# Altium PCB PCB_Arduino_uno_r3_THT.PcbDoc
Units mm, origin at the board's own origin, x right, y up, seen from the top; angles counter-clockwise.
Board outline 68.58 x 53.34 mm, 2 copper layers (Top Layer, Bottom Layer), stack 1.57 mm thick; 49 components, 49 nets, 248 pads, 45 vias.
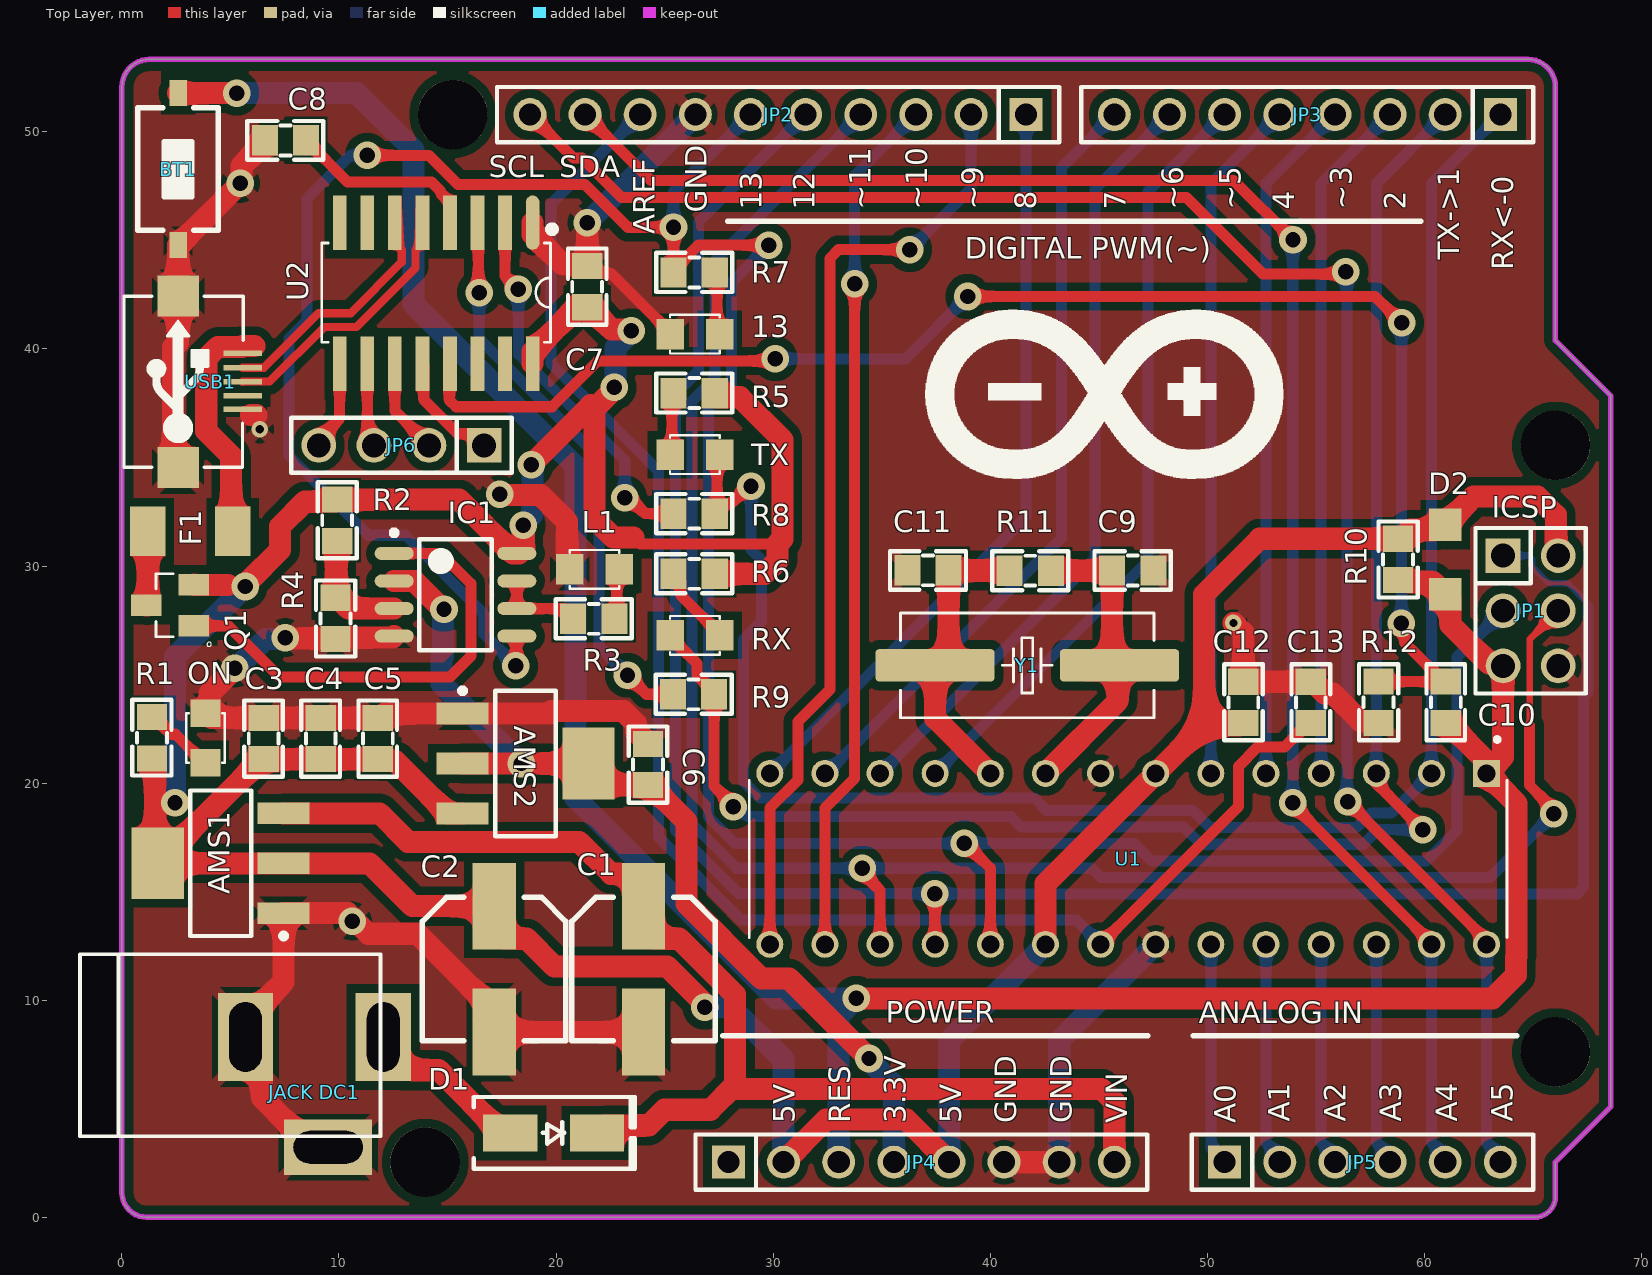
[diagram p0: Top Layer view]
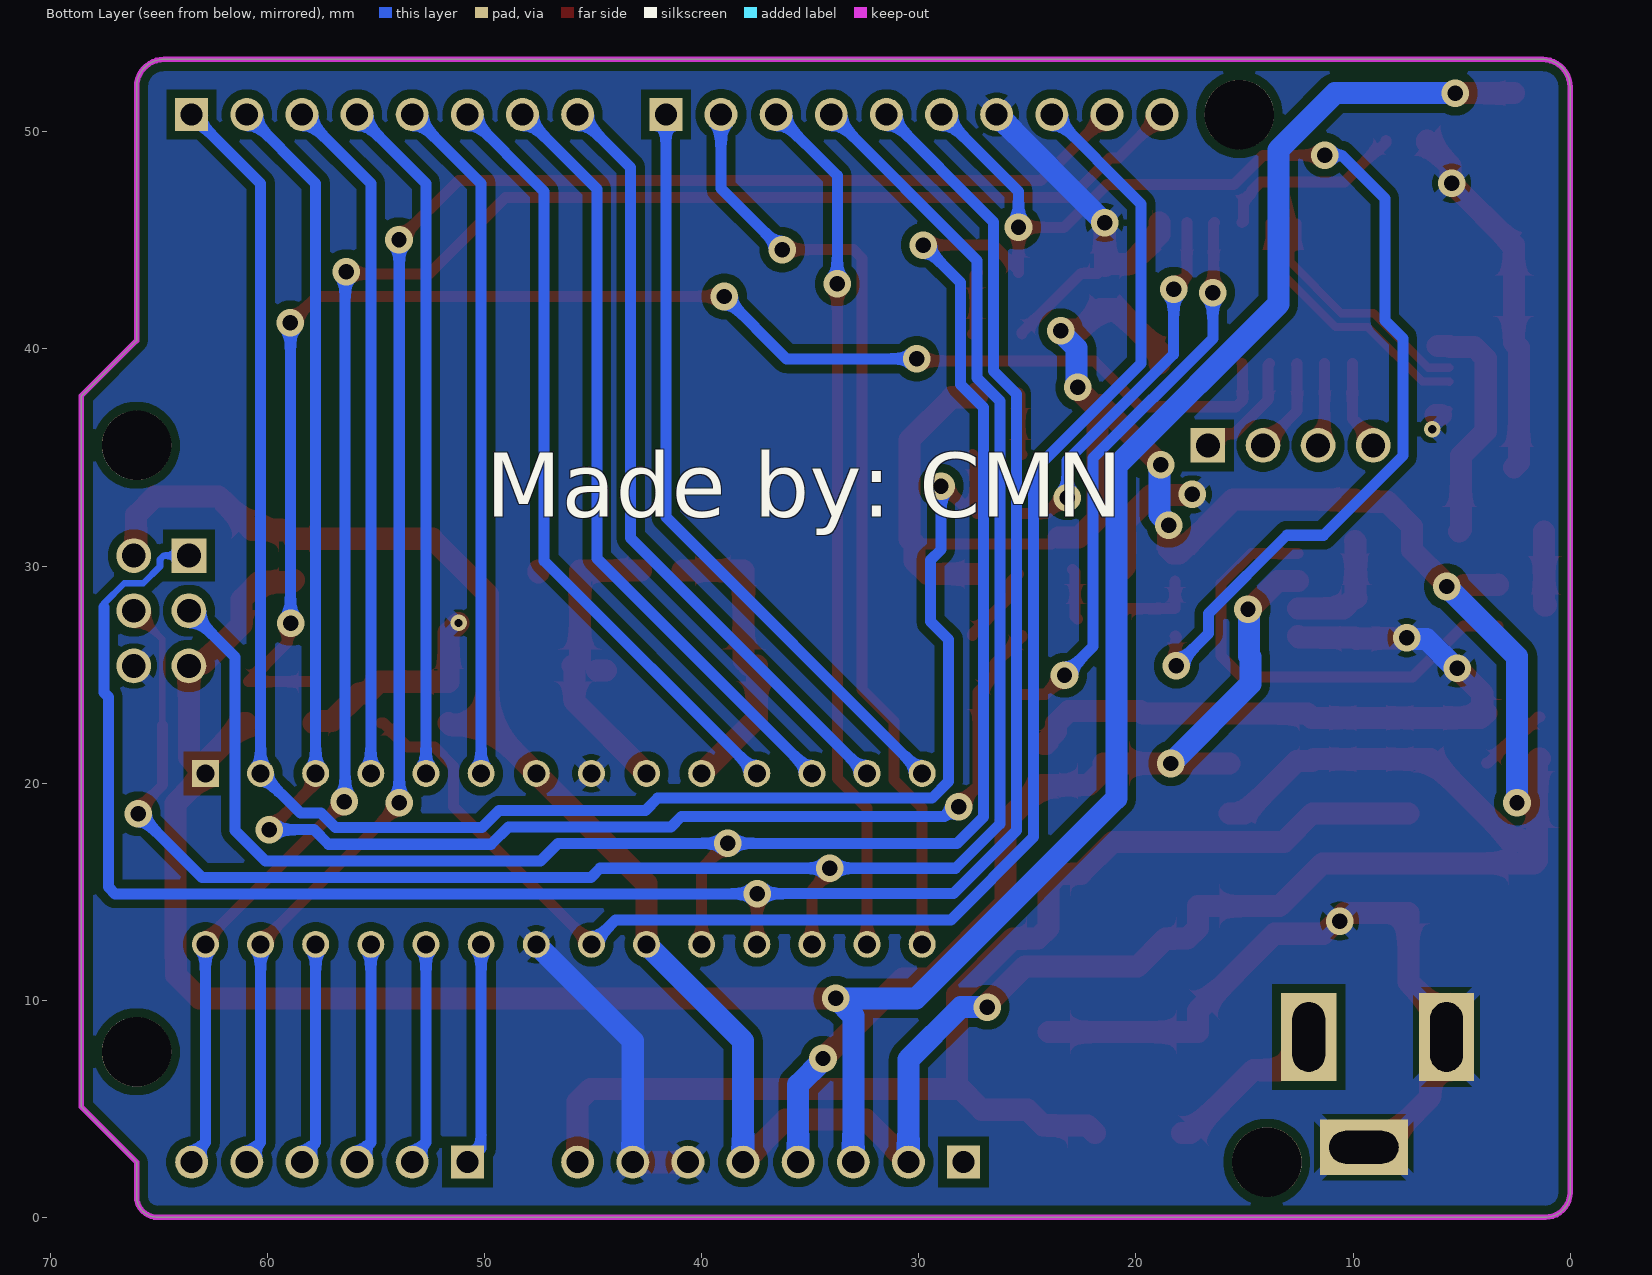
[diagram p1: Bottom Layer view, seen from below]
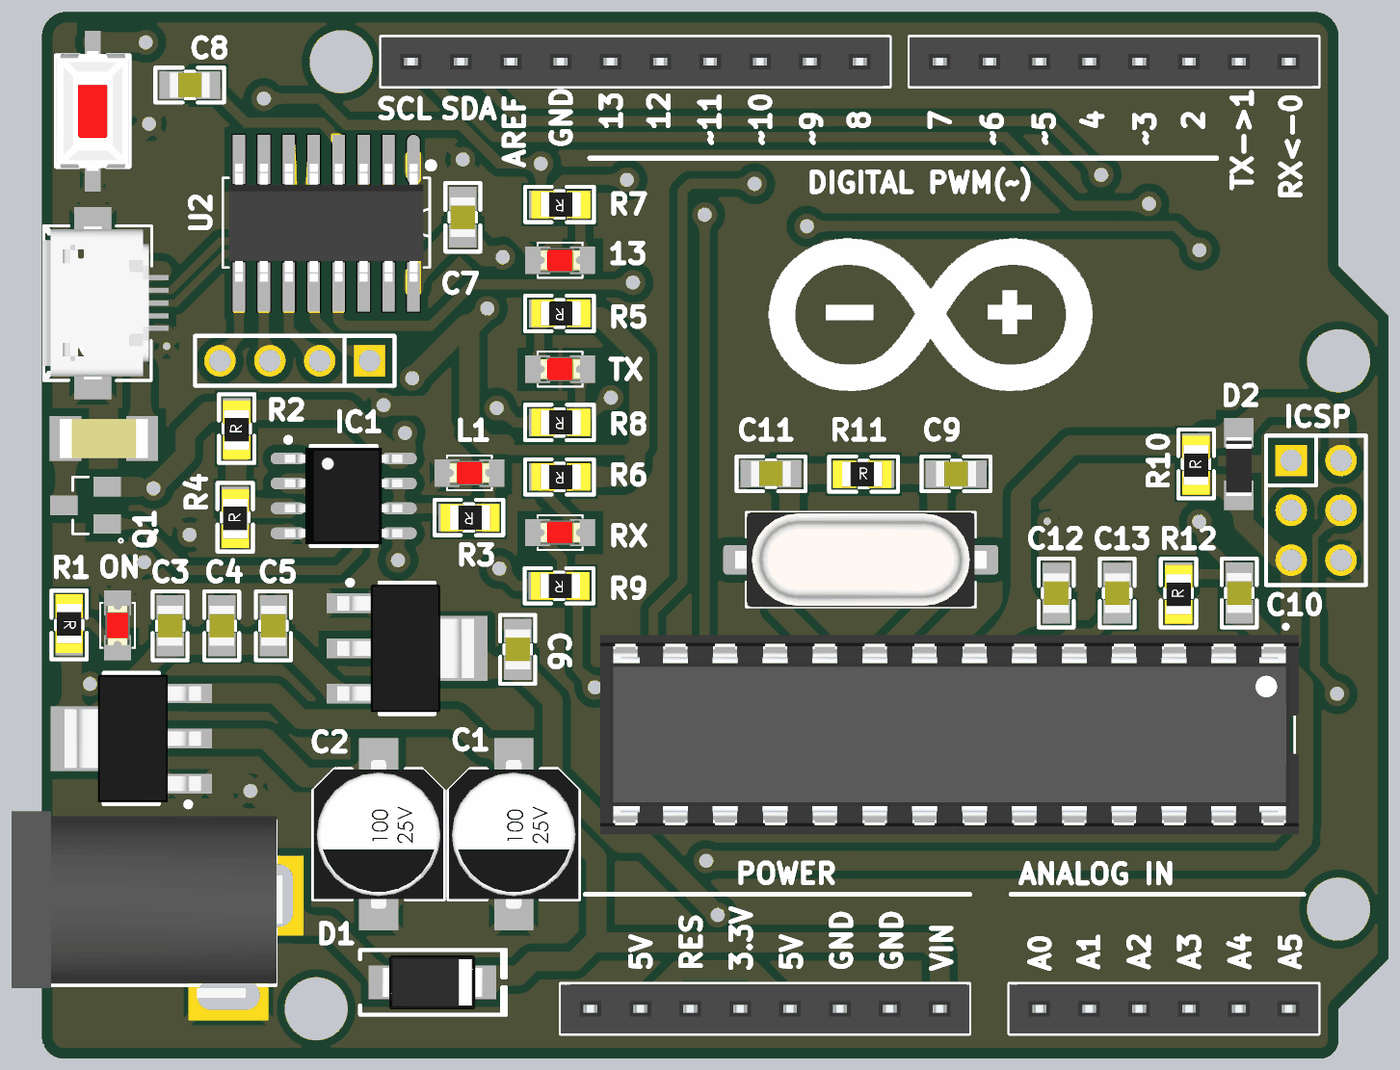
[diagram p2: 3D render of the assembled board from above, using the file's embedded part models]

## Layer stack, top to bottom
Top Solder: solder mask 0.0102, Solder Resist, Dk 3.5
Top Layer: signal copper 0.0356
Dielectric 1: core 1.4986, Core-043, Dk 4.3
Bottom Layer: signal copper 0.0356
Bottom Solder: solder mask 0.0102, Solder Resist, Dk 3.5

## Board outline
0,1.143 ccw(c1.143,1.143) 1.143,0 65.075,0 ccw(c65.075,0.965) 66.04,0.965 66.04,2.54 68.58,5.08 68.58,37.846 66.04,40.386 66.04,52.07 ccw(c64.77,52.07) 64.77,53.34 1.27,53.34 ccw(c1.27,52.07) 0,52.07

## Design rules (kind name [scope] priority, off if disabled: settings)
Clearance [All] p1: gap=0.254 ignorepadtopadclearanceinfootprint=TRUE except(0.406: Arc-Poly Track-Poly SMDPad-Poly THPad-Poly Via-Poly Poly-Poly; 0.508: SMDPad-Via THPad-Via Via-Via; 0.762: SMDPad-SMDPad THPad-THPad)
DiffPairsRouting [All] p1: maxlimit=0.254 minlimit=0.254 mostfreqgap=0.254 toplayer_minwidth=0.381 toplayer_maxwidth=0.381 toplayer_prefwidth=0.381 bottomlayer_minwidth=0.381 bottomlayer_maxwidth=0.381 bottomlayer_prefwidth=0.381 maxuncoupledlength=12.7
HoleSize [All] p1: absolutevalues=TRUE maxlimit=12.7 minlimit=0.025 maxpercent=80.000 minpercent=20.000
PlaneClearance [All] p1: clearance=1.016
PlaneConnect [All] p1: planeconnectstyle=Relief reliefexpansion=0.508 reliefentries=4 reliefconductorwidth=0.508 reliefairgap=0.254
PolygonConnect [All] p1: connectstyle=Relief reliefconductorwidth=0.508 reliefentries=4 polygonreliefangle="45 Angle" airgapwidth=0.254
RoutingVias [All] p1: holewidth=0.381 width=0.762 viastyle="Through Hole" minholewidth=0.254 minwidth=0.508 maxholewidth=0.711 maxwidth=1.27
RoutingVias RoutingVias_1 [All] p2: holewidth=0.61 width=1.219 viastyle="Through Hole" minholewidth=0.61 minwidth=1.016 maxholewidth=0.711 maxwidth=1.27
SilkToSolderMaskClearance [IsText vs InPadClass('All Pads')] p1: minsilkscreentomaskgap=0.508 clearancetoexposedcopper=TRUE
SolderMaskExpansion SolderMaskExpansion_1 [IsVia] p1: expansion=0.102 istentingtop=TRUE
SolderMaskExpansion [All] p2: expansion=0 istentingtop=FALSE
Width [All] p1: maxlimit=1.016 minlimit=0.305 preferedwidth=0.508
25 further rules are at their usual default settings.

## Classes and differential pairs
differential pair USB: +USB_P -USB_N

## Components (designator, comment, footprint, x,y, rotation, side; value= is the part's Value field where it differs from the comment)
13 "LED 0805" LED-0805-Red 27.538,40.685 r180 top
AMS1 "AMS1117-5V" SOT223 4.551,16.307 r90 top value="AMS1117-3.3V SOT223"
AMS2 "AMS1117-3.3V" SOT223 18.593,20.904 r270 top value="AMS1117-3.3V SOT223"
BT1 "Nut Nhan 2 Chan SMD 3x6x2.5" "Nut Nhan 2 Chan SMD 3x6x2.5" 2.591,48.285 r90 top
C1 "47uF" "tu nhom 6.3 (d)" 24.028,11.43 r270 top
C2 "47uF" "tu nhom 6.3 (d)" 17.145,11.43 r270 top
C3 "104" "tu 0805" 6.528,22.05 r90 top
C4 "104" "tu 0805" 9.157,22.05 r90 top
C5 "104" "tu 0805" 11.786,22.05 r90 top
C6 "104" "tu 0805" 24.232,20.853 r90 top
C7 "104" "tu 0805" 21.438,42.875 r270 top
C8 "104" "tu 0805" 7.529,49.61 r0 top
C9 "22pF" "tu 0805" 46.558,29.798 r0 top
C10 "104" "tu 0805" 60.985,23.724 r90 top
C11 "22pF" "tu 0805" 37.135,29.798 r180 top
C12 "104" "tu 0805" 51.664,23.724 r270 top
C13 "104" "tu 0805" 54.771,23.724 r270 top
D1 "Diode M7" "Diode M7" 19.888,3.886 r0 top
D2 "CD1206-S01575" CD1206-S01575 60.96,30.302 r90 top
F1 "0.5A 125V" "Cau Chi SMD1808" 3.15,31.598 r0 top
IC1 "LM358 SOP8" "SOP 8" 15.367,28.677 r0 top
"JACK DC1" "JACK DC 5.5" "JACK DC 5.5" 8.865,5.766 r0 top value="Jac DC"
JP1 "JP 2x3 2.54" "JP 2x3 DT - duplicate" 64.897,27.94 r270 top
JP2 "JP 1x10 2.54" "JP 1x10 CT" 41.656,50.8 r180 top
JP3 "JP 1x8 2.54" "JP 1x8 CT" 63.5,50.8 r180 top
JP4 "JP 1x8 2.54" "JP 1x8 CT" 27.94,2.54 r0 top
JP5 "JP 1x6 2.54" "JP 1x6 CT" 50.8,2.54 r0 top
JP6 "JP 1x4 2.54" "JP 1x4 DT - duplicate" 16.688,35.56 r180 top
L1 "LED 0805" LED-0805-Red 22.915,29.845 r180 top
ON "LED 0805" LED-0805-Red 3.85,20.934 r90 top
Q1 "IRLML6402PbF" SOT23_1 2.218,28.194 r180 top
R1 "1k" "tro smd 0805" 1.448,22.098 r270 top
R2 "10k" "tro smd 0805" 9.855,32.106 r90 top
R3 "1k" "tro smd 0805" 21.742,27.508 r180 top
R4 "10k" "tro smd 0805" 9.779,27.584 r90 top
R5 "1k" "tro smd 0805" 26.365,37.908 r180 top
R6 "1k" "tro smd 0805" 26.365,29.58 r180 top
R7 "1k" "tro smd 0805" 26.365,43.459 r180 top
R8 "1k" "tro smd 0805" 26.365,32.356 r180 top
R9 "1k" "tro smd 0805" 26.34,24.028 r180 top
R10 "10k" "tro smd 0805" 58.725,30.302 r90 top
R11 "1M" "tro smd 0805" 41.844,29.848 r0 top
R12 "1k" "tro smd 0805" 57.827,23.721 r90 top
RX "LED 0805" LED-0805-Red 27.538,26.806 r180 top
TX "LED 0805" LED-0805-Red 25.252,35.133 r0 top
U1 "ATMEGA328P-PU" "28 SPDIP" 46.355,16.51 r270 top
U2 "CH340C" SOIC16_50_284_25X90_SMT 14.503,42.57 r270 top
USB1 "USB Micro 5p SMD" "USB Micro 5p SMD" 5.559,38.494 r90 top
Y1 "16Mhz" "Thach Anh 2 chan SMD" 41.707,25.425 r0 top value=4Mhz

## Footprints (in the part's own frame and the unit in brackets; to place one, negate y for a bottom-side part, rotate by r counter-clockwise, add the part's x,y. Pads: shape width x height; smd on the part's side, far side on the other; paste and mask are expansions set on the pad)
"28 SPDIP" [mm]
  rect 1.243x1.243 hole 0.83: 1(-3.937,16.51)
  round 1.243 hole 0.83: 2(-3.937,13.97) 3(-3.937,11.43) 4(-3.937,8.89) 5(-3.937,6.35) 6(-3.937,3.81) 7(-3.937,1.27) 8(-3.937,-1.27) 9(-3.937,-3.81) 10(-3.937,-6.35) 11(-3.937,-8.89) 12(-3.937,-11.43) 13(-3.937,-13.97) 14(-3.937,-16.51) 15(3.937,-16.51) 16(3.937,-13.97) 17(3.937,-11.43) 18(3.937,-8.89) 19(3.937,-6.35) 20(3.937,-3.81) 21(3.937,-1.27) 22(3.937,1.27) 23(3.937,3.81) 24(3.937,6.35) 25(3.937,8.89) 26(3.937,11.43) 27(3.937,13.97) 28(3.937,16.51)
  silkscreen extent -5.6,-17.45 3.62,17.45, body extent -5.08,-17.91 5.08,17.65, height 9.57
"Cau Chi SMD1808" [mil]
  rect 64x90 smd: 1(-77,0) 2(77,0)
  body extent -91,-39 91,39, height 39
CD1206-S01575 [mm]
  rect 1.5x1.5 smd: Anode(-1.6,0) Cathode(1.6,0)
  body extent -1.63,-0.66 1.37,0.64, height 0.75
"Diode M7" [mm] "SMA/DO-214AC, Molded Plastic"
  rect 2.5x1.7 smd: Anode(-2,0) Cathode(2,0)
  silkscreen extent -3.68,-1.65 3.75,1.65, body extent -2.6,-1.37 2.6,1.37, height 2.4
"JACK DC 5.5" [mm]
  rect 2.54x4.064 hole 1.5 slot 3.2 at 90 deg: 1(3.175,2.54) 2(-3.175,2.54)
  rect 4.064x2.54 hole 1.5 slot 3.2 at 0 deg: 3(0.635,-2.54)
  silkscreen extent -10.79,-2.03 3.05,6.35, body extent -10.42,-2.67 3.4,6.84, height 11.02
"JP 1x4 DT - duplicate" [mm]
  rect 1.6x1.6 hole 1.1: 1(0,0)
  round 1.6 hole 1.1: 2(2.54,0) 3(5.08,0) 4(7.62,0)
  silkscreen extent -1.27,-1.27 8.89,1.27
"JP 1x6 CT" [mm]
  rect 1.52x1.52 hole 1.02: 1(0,0)
  round 1.52 hole 1.02: 2(2.54,0) 3(5.08,0) 4(7.62,0) 5(10.16,0) 6(12.7,0)
  silkscreen extent -1.52,-1.27 14.22,1.27, body extent -1.52,-1.25 14.22,1.25, height 8.51
"JP 1x8 CT" [mm]
  rect 1.52x1.52 hole 1.02: 1(0,0)
  round 1.52 hole 1.02: 2(2.54,0) 3(5.08,0) 4(7.62,0) 5(10.16,0) 6(12.7,0) 7(15.24,0) 8(17.78,0)
  silkscreen extent -1.52,-1.27 19.3,1.27, body extent -1.52,-1.25 19.3,1.25, height 8.51
"JP 1x10 CT" [mm]
  rect 1.52x1.52 hole 1.02: 1(0,0)
  round 1.52 hole 1.02: 2(2.54,0) 3(5.08,0) 4(7.62,0) 5(10.16,0) 6(12.7,0) 7(15.24,0) 8(17.78,0) 9(20.32,0) 10(22.86,0)
  silkscreen extent -1.52,-1.27 24.38,1.27, body extent -1.52,-1.25 24.38,1.25, height 8.51
"JP 2x3 DT - duplicate" [mm]
  rect 1.6x1.6 hole 1.1: 1(-2.54,-1.27)
  round 1.6 hole 1.1: 2(0,-1.27) 3(2.54,-1.27) 4(2.54,1.27) 5(0,1.27) 6(-2.54,1.27)
  silkscreen extent -3.81,-2.54 3.81,2.54
LED-0805-Red [mil]
  rect 50x55 smd: 1(0,0) 2(90,0)
  silkscreen extent 0,-35 90,35, body extent 5,-25 85,25, height 43
"Nut Nhan 2 Chan SMD 3x6x2.5" [mm]
  rect 1.2x0.8 smd: 1(-3.5,0) 2(3.5,0)
  silkscreen extent -2.82,-1.85 2.82,1.85, body extent -3.05,-1.85 3.05,1.85, height 2.5
SOIC16_50_284_25X90_SMT [mm]
  oval 2.5x0.635 smd mask+0.076: 1(-3.25,4.42)
  rect 2.5x0.635 smd mask+0.076: 2(-3.25,3.15) 3(-3.25,1.88) 4(-3.25,0.61) 5(-3.25,-0.66) 6(-3.25,-1.93) 7(-3.25,-3.2) 8(-3.25,-4.47) 9(3.25,-4.47) 10(3.25,-3.2) 11(3.25,-1.93) 12(3.25,-0.66) 13(3.25,0.61) 14(3.25,1.88) 15(3.25,3.15) 16(3.25,4.42)
  silkscreen extent -3.07,-5.3 2.26,5.44, body extent -3.02,-4.97 2.98,4.93, height 1.4
"SOP 8" [mm]
  oval 1.8x0.6 smd: 1(-2.825,1.905) 2(-2.825,0.635) 3(-2.825,-0.635) 4(-2.825,-1.905) 5(2.825,-1.905) 6(2.825,-0.635) 7(2.825,0.635) 8(2.825,1.905)
  silkscreen extent -2.95,-2.55 1.67,2.98, body extent -2.99,-2.45 3,2.45, height 1.6
SOT23_1 [mm]
  rect 1.4x1 smd: 1(-1.1,0.95) 2(-1.1,-0.95) 3(1.1,0)
  silkscreen extent -1.9,-1.45 0.65,1.9, body extent -1.25,-1.5 1.25,1.5, height 1.1
SOT223 [mm]
  rect 1x2.4 smd: 1(-2.3,-2.9) 2(0,-2.9) 3(2.3,-2.9)
  rect 3.3x2.4 smd: 4(0,2.9)
  silkscreen extent -3.47,-3.03 3.35,1.4, body extent -3.25,-3.56 3.25,3.4, height 1.68
"Thach Anh 2 chan SMD" [mm]
  round 0.508 on Mech15: 0(0,0)
  rrect25% 5.5x1.5 smd: 1(-4.25,0) 2(4.25,0)
  silkscreen extent -5.84,-2.41 5.84,2.41, body extent -6.4,-2.41 6.4,2.42, height 4.29
"tro smd 0805" [mm]
  rect 1.2x1.4 smd: 1(-0.946,-0.061) 2(0.954,-0.061)
  silkscreen extent -1.75,-0.97 1.75,0.84, body extent -1.56,-0.76 1.44,0.64, height 0.53
"tu 0805" [mm]
  rect 1.2x1.4 smd: 1(-0.946,-0.003) 2(0.954,-0.003)
  silkscreen extent -1.75,-0.89 1.75,0.89, body extent -1.01,-0.64 1.01,0.63, height 0.61
"tu nhom 6.3 (d)" [mm]
  rect 4x2 smd: 1(-2.9,0) 2(2.9,0)
  silkscreen extent -3.3,-3.3 3.3,3.3, body extent -3.8,-3.3 3.8,3.3, height 8
"USB Micro 5p SMD" [mil]
  rect 10x70 smd: 1(51.18,0) 2(25.59,0) 3(0,0) 4(-25.59,0) 5(-50,0)
  rect 74.8x74.8 smd: 5(-155.51,116.84) 5(155.51,116.84)
  silkscreen extent -155,-1 155,215, body extent -157,5 158,218, height 107

## Part data
13 L1 ON RX TX: library part "LED 0805 Do", "Dán", Chung_Loai=Dán, Don_Vi=Con, Ma_Hang=MH000897, Ten_Linh_Kien="LED 0805 Màu Đỏ (Red)"
AMS1: library part "AMS1117_5V SMD", "Dán", Chung_Loai=Dán, Don_Vi=Con, Ma_Hang=MH000596
AMS2: library part "AMS1117_3V3 SMD", "Dán", Chung_Loai=Dán, Don_Vi=Con, Ma_Hang=MH000596
C1 C2: library part "Tu Nhom 47uF 50V", "Dán", Chung_Loai=Dán, Don_Vi=Con, Ma_Hang=MH002217, So_Chan=2, Ten_Linh_Kien="Tụ Nhôm 47uF 50V 6.3x5.5MM"
C3 C4 C5 C6 C7 C8 C10 C12 C13: library part "Tu 0805 104 50V 10%", "Dán", Chung_Loai=Dán, Don_Vi=Con, Ma_Hang=MH004551, So_Chan=2, Ten_Linh_Kien="Tụ 0805 104-100nF 10% 50V"
C9 C11: library part "Tu 0805 22pF 50V 10%", "Dán", Chung_Loai=Dán, Don_Vi=Con, Ma_Hang=MH004560, So_Chan=2, Ten_Linh_Kien="Tụ 0805 22P 10% 50V"
D1: "Diode Standard 100V 150mA Surface Mount 1206 (1N4007)", Package="1206 Bourns", Availability=Unavailable, MF=Bourns, MP=CD1206-S01575, Price=None, SnapEDA_Link=https://www.snapeda.com/parts/CD1206-S01575/Bourns%20-%20J.W.%20Miller/view-part/42622/?ref=snap
D2: "Diode Standard 100V 150mA Surface Mount 1206", Package="1206 Bourns", Availability=Unavailable, MF=Bourns, MP=CD1206-S01575, Price=None, SnapEDA_Link=https://www.snapeda.com/parts/CD1206-S01575/Bourns%20-%20J.W.%20Miller/view-part/42622/?ref=snap
F1: library part "Cau chi 0.5A 125V SMD1808", "Cau chi 0.5A 125V SMD1808", Ma_Hang=MH009241, Ten="Cầu Chì 0.5A 125V SMD1808 0451.500MRL"
IC1: "Dán", Chung_Loai=Dán, Don_Vi=Con, Ma_Hang=MH000609, Ten_Linh_Kien="LM358 SOP8"
JP1: library part "JP 2x3 2.54 Duc Thang", "Cắm", Chung_Loai=Cắm, Don_Vi=Con, Ma_Hang=MH002686, Ten_Linh_Kien="Jump Đôi Đực 2.54MM 2x40P Thẳng 11MM"
JP2: library part "JP 1x10 2.54 Cai Thang", "Cắm", Chung_Loai=Cắm, Don_Vi=Con, Ma_Hang=MH004006, Ten_Linh_Kien="Jump Đơn Cái 2.54MM 1x20P Thẳng"
JP3 JP4: library part "JP 1x8 2.54 Cai Thang", "Cắm", Chung_Loai=Cắm, Don_Vi=Con, Ma_Hang=MH004006, Ten_Linh_Kien="Jump Đơn Cái 2.54MM 1x20P Thẳng"
JP5: library part "JP 1x6 2.54 Cai Thang", "Cắm", Chung_Loai=Cắm, Don_Vi=Con, Ma_Hang=MH004006, Ten_Linh_Kien="Jump Đơn Cái 2.54MM 1x20P Thẳng"
JP6: library part "JP 1x4 2.54 Duc Thang", "Cắm", Chung_Loai=Cắm, Don_Vi=Con, Ma_Hang=MH000903, Ten_Linh_Kien="Jump Đơn Đực 2.54MM 1x40P Thẳng 11MM"
Q1: "MOSFET P-Channel 20V 3.7A SOT-23"
R1 R3 R5 R6 R7 R8 R9 R12: library part "Tro 0805 5% 1k", "Dán", Chung_Loai=Dán, Don_Vi=Con, Ma_Hang=MH005234, So_Chan=2, Ten_Linh_Kien="Trở 0805 5% 1k"
R2 R4 R10: library part "Tro 0805 5% 10k", "Dán", Chung_Loai=Dán, Don_Vi=Con, Ma_Hang=MH005239, So_Chan=2, Ten_Linh_Kien="Trở 0805 5% 10k"
R11: library part "Tro 0805 5% 1M", "Dán", Chung_Loai=Dán, Don_Vi=Con, Ma_Hang=MH005235, So_Chan=2, Ten_Linh_Kien="Trở 0805 5% 1M"
U1: "AVR AVRÂ® ATmega Microcontroller IC 8-Bit 20MHz 32KB _16K x 16_ FLASH 28-PDIP", Package="PDIP-28 Atmel", Availability=Unavailable, MF=Microchip, MP=ATMEGA328P-PU, Price=None, SnapEDA_Link=https://www.snapeda.com/parts/ATMEGA328P-PU/Microchip/view-part/44282/?ref=snap
U2: "USB Bridge, USB to UART USB 2.0 UART Interface", Alternate Part Number-1=NA, Case/Package=SOIC16, Manufacturer=Olimex, Supplier Part Number-1=C84681, Manufacturer Part Number=CH340C, Supplier-1=LCSC
USB1: "USB Type B", Ma_Hang=MH001020, Ten="MicroUSB MK5P SMD"
Y1: library part "Thach Anh 2 chan SMD", "Crystal For all Crystal 2pin."
BT1: Ma_Hang=MH001036, Ten="Nút Nhấn 2 Chân 3x6x2.5MM SMD"

## Free pads (board coordinates)
  round 0.127 on Mech3: 1(0,1) 1(0,1) 1(0,52.34) 1(0,52.34) 1(1,0) 1(1,0) 1(1,53.34) 1(1,53.34) 1(64.516,53.34) 1(64.516,53.34) 1(65.04,0) 1(65.04,0) 1(66.04,1) 1(66.04,1) 1(66.04,2.54) 1(66.04,2.54) 1(66.04,40.386) 1(66.04,40.386) 1(66.04,51.816) 1(66.04,51.816) 1(68.58,5.08) 1(68.58,5.08) 1(68.58,37.846) 1(68.58,37.846)
  round 0.127 on Mech2: 1(0,1.27) 1(0,1.27) 1(0,1.803) 1(0,1.803) 1(0,52.07) 1(0,52.07) 1(1.27,0) 1(1.27,0) 1(1.27,53.34) 1(1.27,53.34) 1(2.718,0) 1(2.718,0) 1(64.77,53.34) 1(64.77,53.34) 1(65.075,0) 1(65.075,0) 1(66.04,0.965) 1(66.04,0.965) 1(66.04,2.54) 1(66.04,2.54) 1(66.04,40.386) 1(66.04,40.386) 1(66.04,52.07) 1(66.04,52.07) 1(68.58,5.08) 1(68.58,5.08) 1(68.58,37.846) 1(68.58,37.846)
  round 1.092 on Mech3: 1(3.23,3.41) 1(4.23,3.41) 1(5.85,49.911) 1(6.85,49.911) 1(53.34,16.741) 1(54.34,16.741)
  round 3.2 hole 3.2: 1(15.24,50.8) 2(66.04,35.56) 3(13.97,2.54) 4(66.04,7.62)

## Via types
v1: diameter 1.27, hole 0.711, Top Layer to Bottom Layer, tented both sides, 43 vias
v2: diameter 0.762, hole 0.381, Top Layer to Bottom Layer, tented both sides, 2 vias

## Nets (pads, with @x,y where several pads share a name; then routed paths per layer and width w, separated by ;. In a path a pad name is that pad's centre, name@x,y a point inside that pad or via, vN(x,y) a via of type N, cw(c..) or ccw(c..) an arc to the next point about the centre after c; other vN are vias at no path point)
3.3V: AMS2.2 AMS2.4 C6.1 IC1.2 JP4.4 | length 43.6
  Top Layer w1.016: IC1.2 13.473,29.312 14.77,28.014 v1(14.839,28.014) ; AMS2.2 v1(18.39,20.904) AMS2.4 21.493,20.6 22.185,19.908 C6.1 24.335,19.908 26.01,18.233 26.01,14.452 29.458,11.004 30.728,11.004 v1(34.417,7.315)
  Bottom Layer w1.016: v1(14.839,28.014) 14.79,27.966 14.79,25.865 14.732,25.807 14.732,24.562 v1(18.39,20.904) ; v1@34.341,7.391 v1(34.417,7.315) 34.417,7.246 35.56,6.103 JP4.4
5V: AMS1.2 AMS1.4 AMS2.3 C2.1 C3.1 C4.1 C5.1 C7.2 C12.2 D2.Cathode IC1.8 JP1.6 JP4.2 JP4.5 Q1.2 R1.2 R2.2 R5.1 R6.1 R10.2 U1.7 U1.20 U2.16 | length 197.4
  Top Layer w0.508: 23.571,31.305 23.864,31.012 29.802,31.012 30.023,30.792
  Top Layer w1.016: R1.2 1.427,21.144 1.519,21.052 1.519,18.745 ; v1(2.446,19.093) 2.398,19.044 1.818,19.044 1.519,18.745 ; Q1.2 3.326,29.136 4.875,29.136 ; v1(5.677,29.058) 5.677,29.126 5.804,29.253 5.804,29.263 7.293,30.752 7.293,31.829 8.432,32.968 9.824,32.968 R2.2 15.53,33.06 IC1.8@18.008,30.582 ; AMS2.3 15.009,18.604 12.601,21.012 11.881,21.012 C5.1 C4.1 C3.1 6.431,21.104 5.31,19.983 2.776,17.449 2.343,17.449 1.651,16.757 AMS1.4 ; IC1.8 18.283,30.582 18.491,30.79 v1(18.491,31.877) ; v1(18.858,34.671) 21.599,37.412 ; U2.16 18.923,39.872 20.88,41.829 21.626,41.829 22.563,40.892 23.421,40.892 v1(23.47,40.843) ; v1(22.682,38.227) 22.682,38.158 21.768,37.244 21.768,32.18 22.642,31.305 23.571,31.305 ; v1(26.848,9.677) 26.848,9.746 26.721,9.873 26.721,9.957 25.121,11.557 19.918,11.557 18.637,12.838 17.637,12.838 17.145,13.33 C2.1 13.386,14.33 11.41,16.307 AMS1.4 ; R6.1 27.402,29.641 27.403,29.642 29.605,29.642 30.201,30.237 30.201,31.012 30.429,31.241 30.429,35.814 28.467,37.776 27.403,37.776 27.311,37.868 R5.1 ; JP4.2 32.436,4.496 36.144,4.496 JP4.5 ; U1.20 42.545,15.367 U1.7 49.855,22.677 ; C12.2 51.568,22.677 49.855,22.677 ; R10.2 52.415,31.257 49.855,28.697 49.855,22.677 ; R10.2@59.289,31.66 60.718,31.66 D2.Cathode 62.256,33.198 65.202,33.198 66.055,32.344 66.055,30.592 JP1.6 ; 1.519,18.745 1.519,16.439 AMS1.4
  Bottom Layer w1.016: v1(2.446,19.093) 2.446,25.827 v1(5.677,29.058) ; v1(18.491,31.877) 18.491,31.946 18.923,32.378 18.923,34.569 18.858,34.635 v1(18.858,34.671) v1@18.847,34.671 ; v1(22.682,38.227) 22.731,38.276 22.731,40.036 23.47,40.774 v1(23.47,40.843) ; v1(26.848,9.677) 28.067,9.677 30.48,7.264 JP4.2 ; JP4.5 38.1,8.128 U1.20
AD0: JP5.1 U1.23 | length 10.3
  Bottom Layer w0.508: U1.23 50.165,3.175 JP5.1
AD1: JP5.2 U1.24 | length 10.3
  Bottom Layer w0.508: U1.24 52.705,3.449 53.34,2.814 JP5.2
AD2: JP5.3 U1.25 | length 10.3
  Bottom Layer w0.508: U1.25 55.245,3.449 55.88,2.814 JP5.3
AD3: JP5.4 U1.26 | length 10.3
  Bottom Layer w0.508: U1.26 57.785,3.449 58.42,2.814 JP5.4
AD4/SDA: JP2.9 JP5.5 U1.27 | length 80.4
  Top Layer w0.508: JP2.9 24.367,47.769 51.214,47.769 v1(53.95,45.034) ; v1(53.937,19.088) 53.937,19.012 60.325,12.624 U1.27
  Bottom Layer w0.508: v1(53.937,19.088) 53.937,45.021 v1(53.95,45.034) ; U1.27 60.325,3.449 60.96,2.814 JP5.5
AD5/SCL: JP2.10 JP5.6 U1.28 | length 84.7
  Top Layer w0.508: JP2.10 20.808,48.788 21.2,48.788 23.018,46.969 49.043,46.969 52.563,43.449 56.276,43.449 v1(56.388,43.561) ; v1(56.464,19.152) 62.865,12.751 U1.28
  Bottom Layer w0.508: v1(56.388,43.561) 56.426,43.523 56.426,19.19 v1(56.464,19.152) ; U1.28 62.865,3.449 63.5,2.814 JP5.6
AREF: C13.2 JP2.8 U1.21 | length 74.5
  Top Layer w0.508: U1.21 51.435,18.923 51.435,20.774 52.322,21.661 53.559,21.661 54.667,22.769 C13.2
  Bottom Layer w0.508: JP2.8 19.761,46.685 19.761,39.335 24.714,34.382 24.714,17.515 28.526,13.702 37.74,13.702 37.752,13.691 39.525,13.691 39.537,13.702 43.013,13.702 43.025,13.691 43.967,13.691 U1.21
CMD_PWR: IC1.1 Q1.1 | length 21.6
  Top Layer w0.508: Q1.1 4.912,27.244 7.264,24.892 15.113,24.892 16.078,25.857 16.078,29.185 14.681,30.582 IC1.1
CTS: JP6.4 U2.9 | length 4.2
  Top Layer w0.508: JP6.4 9.068,35.838 10.034,36.803 U2.9
DCD: JP6.1 U2.12 | length 5.3
  Top Layer w0.508: U2.12 13.907,39.257 13.907,37.651 15.452,36.106 16.142,36.106 JP6.1
DSR: JP6.3 U2.10 | length 3.9
  Top Layer w0.508: U2.10 11.303,36.16 11.608,35.855 JP6.3
DTR: C10.2 R12.2 U2.13 | length 68.8
  Top Layer w0.508: U2.13 15.088,39.295 15.088,37.636 15.385,37.338 19.812,37.338 21.92,39.446 29.997,39.446 v1(30.099,39.548) ; v1(38.964,42.418) 57.734,42.418 v1(58.953,41.199) ; R12.2 R12.2 60.888,24.677 60.889,24.678 59.091,26.476 59.091,27.214 v1(58.945,27.36)
  Bottom Layer w0.508: v1(30.099,39.548) 36.093,39.548 v1(38.964,42.418) ; v1(58.953,41.199) 58.949,41.195 58.949,27.364 v1(58.945,27.36) v1@59.101,27.203
GND: 13.2 "JACK DC1.2" "JACK DC1.3" AMS1.1 AMS2.1 BT1.1 C1.2 C2.2 C3.2 C4.2 C5.2 C6.2 C7.1 C8.1 C9.2 C11.2 C12.1 C13.1 IC1.4 JP1.4 JP2.7 JP4.6 JP4.7 L1.2 ON.2 R4.1 R12.1 U1.8 U1.22 U2.1 USB1.5 | length 131.3
  Top Layer w0.305: USB1.5@5.559,37.224 5.944,37.224 5.969,37.199 5.94,37.199 5.94,36.955 ; v2(6.35,36.297) v2@6.35,36.336
  Top Layer w0.508: v2@6.301,36.345 v2(6.35,36.297) ; C7.1 21.78,43.475 22.531,43.475 24.257,41.748 24.257,41.743 25.252,40.749 13.2
  Top Layer w1.016: USB1.5@2.591,34.544 2.362,34.773 2.362,40.063 2.591,40.291 2.591,42.444 BT1.1 2.607,44.785 v1(5.454,47.632) 5.502,47.681 5.502,48.425 6.584,49.506 C8.1 ; ON.2 ON.2@3.913,23.22 ; v1(5.207,25.298) 4.04,24.132 4.04,23.347 ON.2@3.913,23.22 ; 5.94,36.955 6.2,36.955 ; v1(7.518,26.695) 7.547,26.667 9.812,26.667 R4.1 9.906,26.705 12.476,26.705 IC1.4 ; 9.5,3.226 8.738,3.226 6.452,5.512 6.452,7.544 5.69,8.306 5.69,9.068 7.451,10.829 AMS1.1 9.627,14.007 ; 9.677,14.007 10.406,14.007 11.352,13.06 13.615,13.06 17.145,9.53 C2.2 C1.2 ; v1(17.399,33.299) 17.424,33.274 19.279,33.274 20.502,32.051 20.502,29.972 L1.2 ; U2.1 18.923,45.269 20.28,43.913 21.342,43.913 C7.1 v1(21.434,45.818) ; C6.2 24.135,21.808 24.043,21.9 24.043,22 23.673,22.37 23.673,22.747 23.104,23.316 19.796,23.316 19.684,23.204 AMS2.1 12.089,23.204 11.889,23.004 C5.2 C4.2 C3.2 4.129,23.004 ON.2@3.913,23.22 ; JP4.6 JP4.7 ; C9.2@47.513,29.694 C9.2 ; v2(51.206,27.381) 51.66,26.927 C12.1 C12.1@51.729,24.669 ; C12.1@51.821,24.761 C12.1@51.729,24.669 ; R12.1 57.796,22.867 57.047,22.867 55.783,24.131 55.405,24.131 54.867,24.669 C13.1 C12.1@51.729,24.669
  Bottom Layer w1.016: v1(5.207,25.298) 5.276,25.298 6.624,26.647 7.47,26.647 v1(7.518,26.695) ; v1(21.434,45.818) JP2.7 ; JP4.7 43.18,8.128 U1.22
  other v1: 10.617,13.64
IO0/RXD: JP3.1 R8.1 TX.2 U1.2 | length 84.2
  Top Layer w0.508: R8.1 27.311,32.517 R8.1@27.424,32.63 ; TX.2 27.424,35.02 27.424,32.818 R8.1@27.424,32.63 ; v1(28.981,33.68) 28.845,33.68 28.027,32.863 27.657,32.863 R8.1@27.424,32.63
  Bottom Layer w0.508: v1(28.981,33.68) 28.981,30.752 29.464,30.269 29.464,27.445 28.626,26.606 28.626,20.069 29.391,19.304 42.032,19.304 42.591,18.745 49.333,18.745 50.133,17.945 56.874,17.945 57.547,18.618 58.496,18.618 U1.2 60.325,47.625 JP3.1
IO1/TXD: JP3.2 R9.1 RX.2 U1.3 | length 77
  Top Layer w0.508: RX.2 25.252,26.742 26.493,25.501 26.493,24.981 27.285,24.189 R9.1 27.285,19.857 28.162,18.981 v1(28.162,18.916) v1@28.194,18.884 ; U1.3 57.926,20.306 57.926,19.849 v1(59.919,17.856)
  Bottom Layer w0.508: v1(28.162,18.916) 28.368,18.916 28.819,18.466 40.945,18.466 41.427,17.983 48.909,17.983 49.709,17.183 57.19,17.183 57.863,17.856 v1(59.919,17.856) ; U1.3 57.785,47.625 JP3.2
IO2: JP3.3 U1.4 | length 31.7
  Bottom Layer w0.508: U1.4 55.245,47.625 JP3.3
IO3: JP3.4 U1.5 | length 31.7
  Bottom Layer w0.508: U1.5 52.705,47.625 JP3.4
IO4: JP3.5 U1.6 | length 31.7
  Bottom Layer w0.508: U1.6 50.165,47.625 JP3.5
IO5: JP3.6 U1.11 | length 35.9
  Bottom Layer w0.508: U1.11 47.261,30.243 47.261,47.261 JP3.6
IO6: JP3.7 U1.12 | length 35.9
  Bottom Layer w0.508: U1.12 44.831,30.353 44.831,47.371 JP3.7
IO7: JP3.8 U1.13 | length 35.9
  Bottom Layer w0.508: U1.13 32.436,20.447 43.282,31.293 43.282,48.362 JP3.8
IO8: JP2.1 U1.14 | length 35.2
  Bottom Layer w0.508: U1.14 41.656,32.258 JP2.1
IO9: JP2.2 U1.15 | length 44.3
  Top Layer w0.508: U1.15 29.845,18.85 31.14,20.145 31.14,22.835 32.614,24.308 32.614,44.178 33.013,44.577 v1(36.297,44.577) ; JP2.2@38.922,50.606 JP2.2
  Bottom Layer w0.508: v1(36.297,44.577) 39.116,47.396 JP2.2
MISO: JP1.1 JP2.5 U1.18 | length 99.2
  Top Layer w0.508: v1(37.44,14.91) 37.452,14.897 37.452,12.586 U1.18
  Bottom Layer w0.305: JP1.1 64.782,30.48 64.961,30.301 64.961,29.98 65.731,29.21 66.603,29.21 67.539,28.275 67.539,28.118
  Bottom Layer w0.508: JP2.5 26.554,45.858 26.554,38.985 25.495,37.926 25.495,17.812 28.397,14.91 v1(37.44,14.91) 37.452,14.897 67.025,14.897 67.335,15.207 67.335,23.965 67.539,24.168 67.539,28.118
MOSI: JP1.5 JP2.4 U1.17 | length 92
  Top Layer w0.305: 64.846,22.657 64.846,26.619 JP1.5
  Top Layer w0.508: v1(34.112,16.078) 34.112,15.872 34.925,15.059 U1.17 ; 64.846,22.657 64.846,19.903 65.964,18.785 v1(65.964,18.593)
  Bottom Layer w0.508: JP2.4 27.316,44.08 27.316,38.669 26.257,37.611 26.257,18.127 28.306,16.078 44.688,16.078 45.108,15.659 63.03,15.659 v1(65.964,18.593)
Net13_1: 13.1 R7.1 | length 2.9
  Top Layer w0.508: R7.1 27.424,43.407 27.424,40.799 13.1
NetC8_2: C8.2 U2.4 | length 8.9
  Top Layer w0.508: C8.2 8.484,49.506 8.83,49.16 8.93,49.16 10.396,47.694 14.256,47.694 14.669,47.281 14.669,47.197 15.05,46.816 15.05,45.884 U2.4
NetD1_Anode: "JACK DC1.1" D1.Anode | length 8.1
  Top Layer w1.016: 12.04,8.306 12.04,7.544 12.802,6.782 14.593,6.782 17.488,3.886 D1.Anode
NetF1_2: F1.2 USB1.1 | length 10.9
  Top Layer w1.016: F1.2 5.029,31.674 5.029,35.083 3.886,36.226 3.886,39.565 4.417,40.096 5.523,40.096 5.559,40.132 6.096,40.132
NetIC1_3: IC1.3 R2.1 R4.2 | length 5.6
  Top Layer w1.016: R2.1 9.878,31.122 9.878,28.577 R4.2 9.94,28.539 10.437,28.042 IC1.3
NetIC1_6: IC1.6 IC1.7 R3.2 | length 4.1
  Top Layer w0.508: IC1.7 IC1.6 20.415,28.042 20.788,27.669 R3.2
NetL1_1: L1.1 R3.1 | length 2.4
  Top Layer w0.508: R3.1 22.802,27.683 22.802,29.731 L1.1
NetON_1: ON.1 R1.1 | length 3.3
  Top Layer w0.508: R1.1 1.487,23.044 2.279,22.252 2.468,22.252 3.786,20.934 ON.1
NetR5_2: R5.2 TX.1 | length 2.9
  Top Layer w0.508: TX.1 25.331,35.213 25.331,37.889 R5.2
NetR6_2: R6.2 RX.1 | length 3.7
  Top Layer w0.508: R6.2 25.757,29.295 25.757,28.65 27.538,26.869 RX.1
NetR8_2: R8.2 U2.2 | length 17.5
  Top Layer w0.508: U2.2 17.653,43.357 v1(18.263,42.748) ; v1(23.165,33.147) 23.371,33.147 24.101,32.417 R8.2
  Bottom Layer w0.508: v1(18.263,42.748) 18.263,39.756 23.165,34.854 v1(23.165,33.147)
NetR9_2: R9.2 U2.3 | length 26.3
  Top Layer w0.508: U2.3 16.42,45.784 16.42,42.629 v1(16.457,42.592) v1@16.457,42.446 ; v1(23.292,24.968) 24.171,24.089 R9.2
  Bottom Layer w0.508: v1(16.457,42.592) 16.457,40.484 21.971,34.97 21.971,26.289 v1(23.292,24.968)
RESET: BT1.2 C10.1 D2.Anode JP1.3 JP4.3 R10.1 U1.1 | length 125.1
  Top Layer w1.016: BT1.2 v1(5.288,51.785) ; v1(33.833,10.084) 63.144,10.084 64.211,11.151 64.211,11.963 64.248,12 64.248,19.063 62.978,20.333 U1.1 63.627,21.209 JP1.3 63.515,25.512 62.982,25.512 61.202,27.292 61.202,28.46 D2.Anode 60.398,29.265 58.878,29.265 R10.1 ; C10.1 61.089,22.778 62.752,21.115
  Bottom Layer w1.016: v1(5.288,51.785) 10.826,51.785 13.437,49.174 13.437,42.068 20.904,34.6 20.904,19.304 30.124,10.084 v1(33.833,10.084) 33.02,9.271 JP4.3
RI: JP6.2 U2.11 | length 4.4
  Top Layer w0.508: U2.11@12.6,39.294 U2.11 12.573,37.134 JP6.2
SCK: IC1.5 JP1.2 JP2.6 R7.2 U1.19 | length 141.1
  Top Layer w0.508: v1(11.303,48.92) 14.138,48.92 15.48,47.578 21.332,47.578 23.306,45.604 v1(25.411,45.604) R7.2@25.411,43.62 ; v1(18.136,25.4) 18.164,25.428 18.164,26.729 18.136,26.729 18.178,26.772 IC1.5 ; R7.2 R7.2@25.411,43.62 ; v1(29.794,44.78) 26.552,44.78 26.141,44.369 26.141,44.35 R7.2@25.411,43.62 ; v1(38.811,17.221) 38.862,17.221 40.005,16.078 U1.19
  Bottom Layer w0.508: v1@11.43,49.047 v1(11.303,48.92) 10.516,48.92 8.534,46.939 8.534,41.314 7.696,40.476 7.696,35.082 11.36,31.418 13.051,31.418 16.651,27.819 16.651,26.885 v1(18.136,25.4) ; v1(25.411,45.604) 25.411,47.255 JP2.6 ; v1(29.794,44.78) 28.078,43.064 28.078,38.354 27.019,37.295 27.019,18.443 28.241,17.221 v1(38.811,17.221) 46.629,17.221 47.43,16.421 60.1,16.421 61.493,17.815 61.493,25.806 JP1.2
SS: JP2.3 U1.16 | length 40
  Top Layer w0.508: U1.16 32.385,18.85 33.757,20.221 v1(33.757,43.002)
  Bottom Layer w0.508: v1(33.757,43.002) 33.757,47.981 JP2.3
USB_N: U2.6 USB1.2 | length 11.3
  Top Layer w0.381: USB1.2 5.566,39.136 6.546,39.136 9.059,41.65 10.542,41.65 12.891,43.999 12.891,44.57 12.574,44.888 U2.6
USB_P: U2.5 USB1.3 | length 12.4
  Top Layer w0.381: USB1.3 5.566,38.501 6.809,38.501 9.322,41.015 10.805,41.015 13.526,43.736 13.526,44.57 13.844,44.888 U2.5
VBUS: F1.1 Q1.3 | length 3.5
  Top Layer w1.016: Q1.3 1.186,28.194 1.194,28.202 F1.1
VIN: AMS1.3 C1.1 D1.Cathode JP4.8 | length 57.5
  Top Layer w1.016: AMS1.3 11.873,18.607 13.183,17.297 21.061,17.297 22.536,15.822 23.536,15.822 24.028,15.33 24.028,13.33 24.52,12.838 25.663,12.838 28.245,10.256 28.245,6.096 27.102,4.953 24.994,4.953 24.269,4.228 22.23,4.228 D1.Cathode ; 28.067,5.918 45.125,5.918 45.72,5.323 JP4.8
XTAL1: C9.1 R11.2 U1.9 Y1.2 | length 14.2
  Top Layer w1.016: U1.9 45.872,23.774 45.872,25.341 Y1.2 45.855,25.425 45.613,25.667 C9.1 45.609,29.791 42.802,29.791 R11.2 ; Y1.2@44.425,25.183 Y1.2@44.818,25.183
XTAL2: C11.1 R11.1 U1.10 Y1.1 | length 13.7
  Top Layer w1.016: U1.10 37.465,22.987 37.465,25.417 Y1.1 37.838,25.425 38.08,25.667 C11.1 38.087,29.794 40.892,29.794 R11.1
pads on no net: JP4.1 U2.7 U2.8 U2.14 U2.15 USB1.4 Y1.0

## Polygon pours and split planes (outlines as drawn)
GND on Top Layer "GND top" (solid, pour order 0): 1.194,53.34 64.922,53.34 65.608,53.01 65.964,52.502 66.04,51.587 66.04,40.361 68.58,37.846 68.58,5.131 66.065,2.565 66.04,0.686 65.913,0.432 65.761,0.254 65.634,0.152 65.405,0.102 65.202,0.025 65.049,0 1.092,0 0.762,0.025 0.61,0.127 0.381,0.229 0.279,0.406 0.229,0.483 0.127,0.61 0.051,0.787 -0.025,0.991 0,52.146 0.051,52.4 0.051,52.502 0.102,52.603 0.178,52.73 0.279,52.857 0.356,52.934 0.457,53.061 0.635,53.188 0.813,53.264 0.991,53.315
GND on Bottom Layer "GND bot" (solid, pour order 1): 64.872,53.34 65.202,53.264 65.303,53.238 65.43,53.137 65.634,53.01 65.786,52.832 65.888,52.654 65.989,52.451 66.04,52.222 66.04,40.386 68.58,37.846 68.58,5.08 66.04,2.565 66.04,0.838 66.015,0.737 65.938,0.559 65.786,0.305 65.532,0.102 65.43,0.076 65.278,0.025 65.176,0 1.067,0 0.864,0.051 0.559,0.152 0.483,0.229 0.356,0.305 0.279,0.381 0.229,0.457 0.102,0.635 0.102,0.66 0.051,0.787 0.025,0.838 0.025,0.94 0,1.016 0,52.248 0.102,52.553 0.127,52.654 0.203,52.781 0.305,52.908 0.381,52.984 0.457,53.035 0.508,53.111 0.584,53.162 0.838,53.289 0.914,53.315 0.991,53.315 1.067,53.365 1.092,53.34

## Keep-outs
Keep-Out Layer:
  lines w0.254: 0,1.143 ccw(c1.143,1.143) 1.143,0 1.27,0 65.075,0 ccw(c65.075,0.965) 66.04,0.965 66.04,2.54 68.58,5.08 68.58,37.846 66.04,40.386 66.04,52.07 ccw(c64.77,52.07) 64.77,53.34 1.27,53.34 ccw(c1.27,52.07) 0,52.07 0,1.143

## Silkscreen, mask and mechanical layers (free items; w line width, h text height)
Top Overlay:
  drawing of 6 lines, arcs and shapes, not listed
  text "SCL" at 16.903,47.918 h1
  text "SDA" at 20.155,47.918 h1
  text "13" at 29.486,46.42 h1 r90
  text "12" at 31.91,46.42 h1 r90
  text "~11" at 34.502,46.42 h1 r90
  text "~10" at 37.093,46.42 h1 r90
  text "~9" at 39.685,46.42 h1 r90
  text "8" at 42.109,46.42 h1 r90
  text "7" at 46.24,46.42 h1 r90
  text "~6" at 48.886,46.42 h1 r90
  text "~5" at 51.532,46.42 h1 r90
  text "4" at 54.011,46.42 h1 r90
  text "~3" at 56.657,46.42 h1 r90
  text "2" at 59.137,46.42 h1 r90
  text "GND" at 26.936,46.267 h1 r90
  text "AREF" at 24.548,45.277 h1 r90
  text "DIGITAL PWM(~)" at 38.833,44.167 h1
  text "TX->1" at 61.616,44.115 h1 r90
  text "RX<-0" at 64.096,43.615 h1 r90
  text "ICSP" at 63.094,32.233 h1
  text "POWER" at 35.191,8.955 h1
  text "ANALOG IN" at 49.606,8.941 h1
  text "A1" at 53.809,4.408 h1 r90
  text "A2" at 56.374,4.408 h1 r90
  text "A3" at 58.94,4.408 h1 r90
  text "A4" at 61.505,4.408 h1 r90
  text "A5" at 64.07,4.408 h1 r90
  text "5V" at 31,4.332 h1 r90
  text "RES" at 33.552,4.332 h1 r90
  text "3.3V" at 36.105,4.332 h1 r90
  text "5V" at 38.658,4.332 h1 r90
  text "GND" at 41.21,4.332 h1 r90
  text "GND" at 43.763,4.332 h1 r90
  text "VIN" at 46.316,4.332 h1 r90
  text "A0" at 51.32,4.332 h1 r90
Bottom Overlay:
  text "Made by: CMN" at 49.957,31.294 h5.08
Mechanical 2:
  drawing of 160 lines, arcs and shapes, not listed
Mechanical 3:
  drawing of 640 lines, arcs and shapes, not listed